# KiCad board grAIl.kicad_pcb
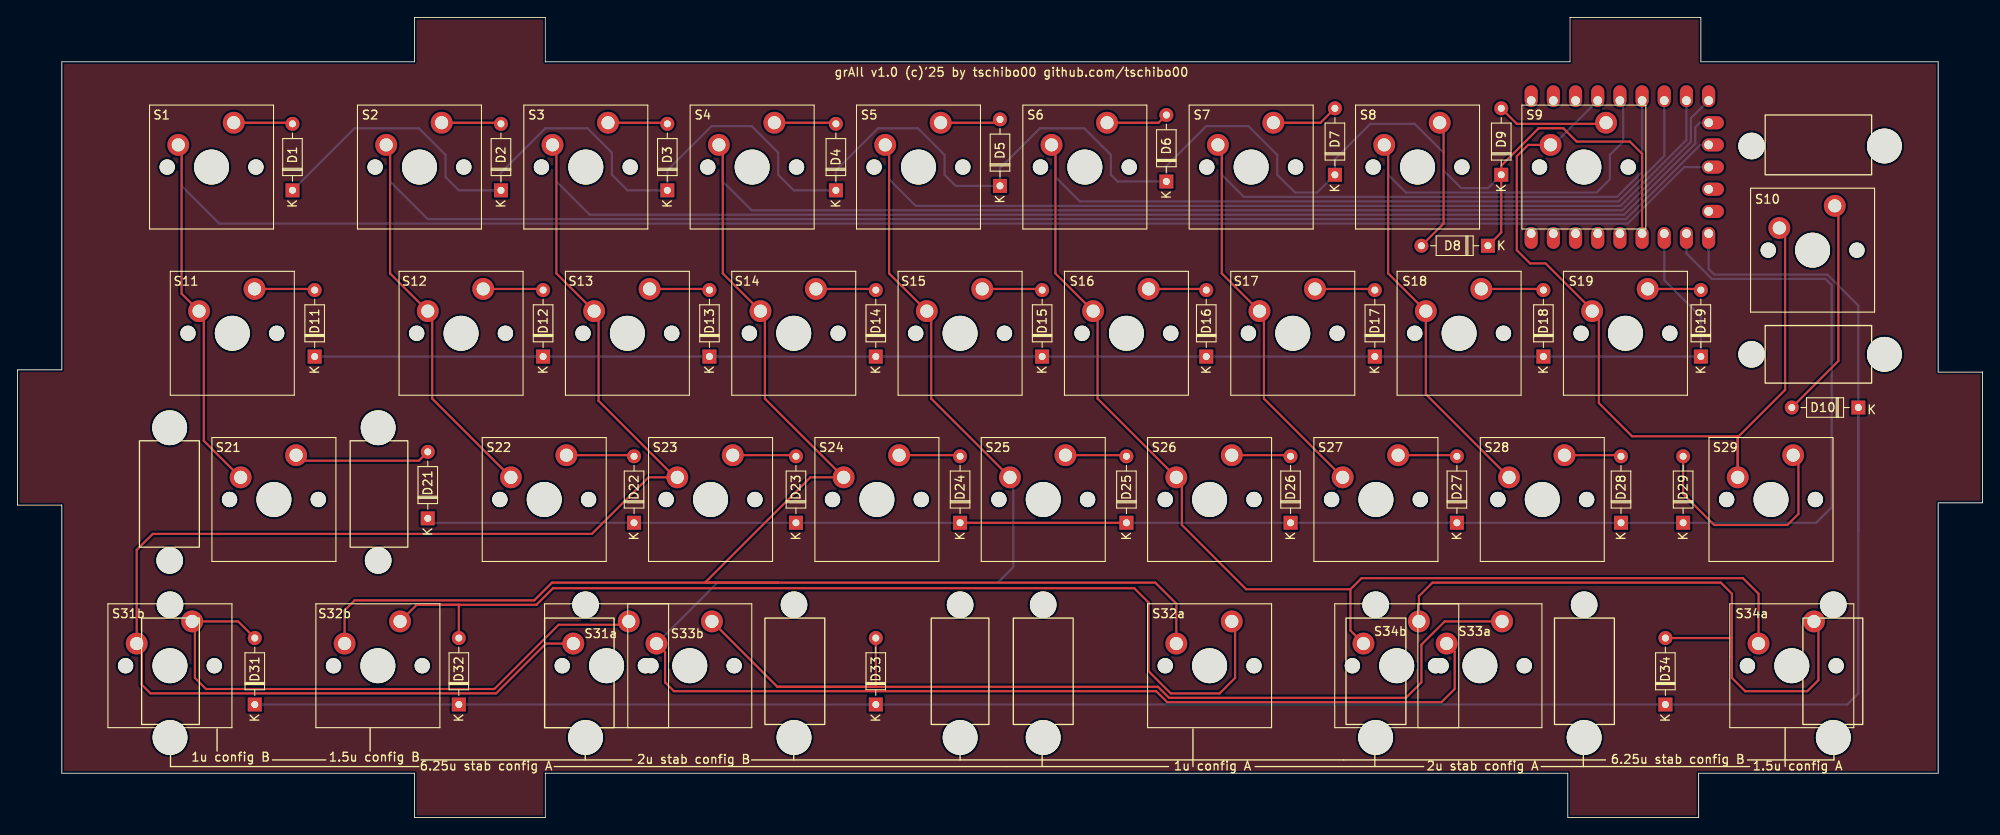
[diagram p0: board, top side]
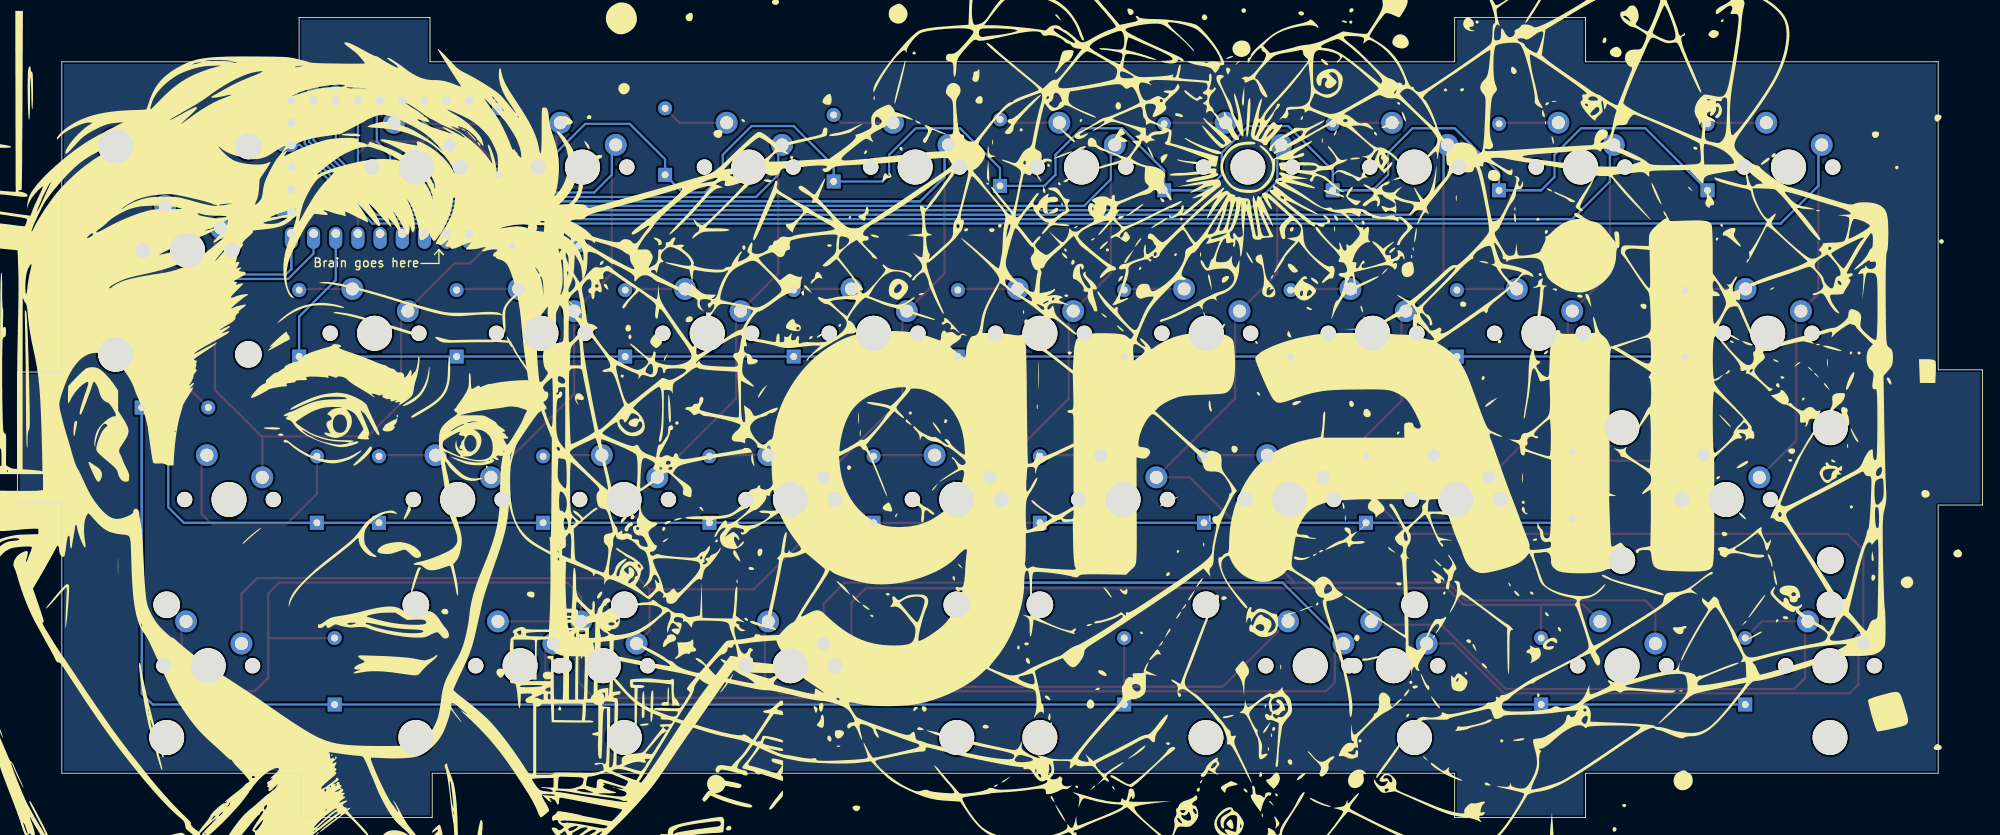
[diagram p1: board, bottom side, seen from below]

Outline 225.04 x 91.69 mm; copper layers: Top, Bottom. Coordinates in mm from the lower left corner of the outline.
Outline path: 0,51.31 5.08,51.31 5.08,86.61 45.47,86.61 45.47,91.69 60.45,91.69 60.45,86.61 177.8,86.61 177.8,91.69 192.79,91.69 192.79,86.61 219.96,86.61 219.96,51.05 225.04,51.05 225.04,36.07 219.96,36.07 219.96,5.08 192.53,5.08 192.53,0 177.55,0 177.55,5.08 60.45,5.08 60.45,0 45.47,0 45.47,5.08 5.08,5.08 5.08,35.81 0,35.81 0,51.31
Stack: Top 0.035mm / dielectric 1.51mm FR4 er 4.5 / Bottom 0.035mm

## Placement (name value [footprint] x y rotation side)
D1  Diode  [Diode_DO-35]  31.5 71.88 90 top
D2  Diode  [Diode_DO-35]  55.37 71.88 90 top
D3  Diode  [Diode_DO-35]  74.42 71.88 90 top
D4  Diode  [Diode_DO-35]  93.73 71.88 90 top
D5  Diode  [Diode_DO-35]  112.52 72.39 90 top
D6  Diode  [Diode_DO-35]  131.57 72.9 90 top
D7  Diode  [Diode_DO-35]  150.88 73.66 90 top
D8  Diode  [Diode_DO-35]  168.4 65.53 180 top
D9  Diode  [Diode_DO-35]  169.93 73.66 90 top
D10  Diode  [Diode_DO-35]  210.82 46.99 180 top
D11  Diode  [Diode_DO-35]  34.04 52.83 90 top
D12  Diode  [Diode_DO-35]  60.2 52.83 90 top
D13  Diode  [Diode_DO-35]  79.25 52.83 90 top
D14  Diode  [Diode_DO-35]  98.3 52.83 90 top
D15  Diode  [Diode_DO-35]  117.35 52.83 90 top
D16  Diode  [Diode_DO-35]  136.14 52.83 90 top
D17  Diode  [Diode_DO-35]  155.45 52.83 90 top
D18  Diode  [Diode_DO-35]  174.75 52.83 90 top
D19  Diode  [Diode_DO-35]  192.79 52.83 90 top
D21  Diode  [Diode_DO-35]  46.99 34.29 90 top
D22  Diode  [Diode_DO-35]  70.61 33.78 90 top
D23  Diode  [Diode_DO-35]  89.15 33.78 90 top
D24  Diode  [Diode_DO-35]  107.95 33.78 90 top
D25  Diode  [Diode_DO-35]  127 33.78 90 top
D26  Diode  [Diode_DO-35]  145.8 33.78 90 top
D27  Diode  [Diode_DO-35]  164.85 33.78 90 top
D28  Diode  [Diode_DO-35]  183.64 33.78 90 top
D29  Diode  [Diode_DO-35]  190.75 33.78 90 top
D31  Diode  [Diode_DO-35]  27.18 12.95 90 top
D32  Diode  [Diode_DO-35]  50.55 12.95 90 top
D33  Diode  [Diode_DO-35]  98.3 12.95 90 top
D34  Diode  [Diode_DO-35]  188.72 12.95 90 top
REF**  -  [Stabilizer_MX_2.00u]  167.48 17.4 0 top
REF**#2  -  [Stabilizer_MX_2.00u]  29.37 36.45 180 top
REF**#3  -  [Stabilizer_MX_2.00u]  205.58 65.02 90 top
REF**#4  -  [Stabilizer_MX_6.25u]  157.96 17.4 0 top
REF**#5  -  [Stabilizer_MX_2.00u]  76.99 17.4 0 top
REF**#6  -  [Stabilizer_MX_6.25u]  67.47 17.4 0 top
S1  Keyswitch  [MX_PCB_1.50u]  22.23 74.55 0 top
S2  Keyswitch  [MX_PCB_1.00u]  46.04 74.55 0 top
S3  Keyswitch  [MX_PCB_1.00u]  65.09 74.55 0 top
S4  Keyswitch  [MX_PCB_1.00u]  84.14 74.55 0 top
S5  Keyswitch  [MX_PCB_1.00u]  103.19 74.55 0 top
S6  Keyswitch  [MX_PCB_1.00u]  122.24 74.55 0 top
S7  Keyswitch  [MX_PCB_1.00u]  141.29 74.55 0 top
S8  Keyswitch  [MX_PCB_1.00u]  160.34 74.55 0 top
S9  Keyswitch  [MX_PCB_1.00u]  179.39 74.55 0 top
S10  Keyswitch  [MX_PCB_ISOEnter]  205.58 65.02 0 top
S11  Keyswitch  [MX_PCB_1.75u]  24.61 55.5 0 top
S12  Keyswitch  [MX_PCB_1.00u]  50.8 55.5 0 top
S13  Keyswitch  [MX_PCB_1.00u]  69.85 55.5 0 top
S14  Keyswitch  [MX_PCB_1.00u]  88.9 55.5 0 top
S15  Keyswitch  [MX_PCB_1.00u]  107.95 55.5 0 top
S16  Keyswitch  [MX_PCB_1.00u]  127 55.5 0 top
S17  Keyswitch  [MX_PCB_1.00u]  146.05 55.5 0 top
S18  Keyswitch  [MX_PCB_1.00u]  165.1 55.5 0 top
S19  Keyswitch  [MX_PCB_1.00u]  184.15 55.5 0 top
S21  Keyswitch  [MX_PCB_2.25u]  29.37 36.45 0 top
S22  Keyswitch  [MX_PCB_1.00u]  60.32 36.45 0 top
S23  Keyswitch  [MX_PCB_1.00u]  79.38 36.45 0 top
S24  Keyswitch  [MX_PCB_1.00u]  98.43 36.45 0 top
S25  Keyswitch  [MX_PCB_1.00u]  117.47 36.45 0 top
S26  Keyswitch  [MX_PCB_1.00u]  136.53 36.45 0 top
S27  Keyswitch  [MX_PCB_1.00u]  155.57 36.45 0 top
S28  Keyswitch  [MX_PCB_1.00u]  174.62 36.45 0 top
S29  Keyswitch  [MX_PCB_1.75u]  200.82 36.45 0 top
S31a  Keyswitch  [MX_PCB_6.25u]  67.47 17.4 0 top
S31b  Keyswitch  [MX_PCB_1.00u]  17.46 17.4 0 top
S32a  Keyswitch  [MX_PCB_1.00u]  136.53 17.4 0 top
S32b  Keyswitch  [MX_PCB_1.50u]  41.27 17.4 0 top
S33a  Keyswitch  [MX_PCB_2.25u]  167.48 17.4 0 top
S33b  Keyswitch  [MX_PCB_2.25u]  76.99 17.4 0 top
S34a  Keyswitch  [MX_PCB_1.50u]  203.2 17.4 0 top
S34b  Keyswitch  [MX_PCB_6.25u]  157.96 17.4 0 top
U1  -  [RP2040_Zero]  183.51 74.55 270 bottom

## Library data of the parts
D1-D19 D21-D29 D31-D34 = -: Description: 1N4148 (DO-35) or 1N4148W (SOD-123); Sim.Device: D; Sim.Pins: 1=K 2=A
S1-S19 S21-S29 S31a S31b S32a S32b S33a S33b S34a S34b = -: Description: Push button switch, normally open, two pins, 45° tilted

## Footprints (pads in the part's own frame, mm; a bottom-side part is the same pattern mirrored in y, then rotated)
Diode_DO-35
  rect 1.6x1.6 hole 0.8: 1(0,0)
  oval 1.6x1.6 hole 0.8: 2(7.62,0)
MX_PCB_1.00u
  round 1.75 hole 1.75 unplated: (-5.08,0) (5.08,0)
  round 4 hole 4 unplated: (0,0)
  round 2.5 hole 1.5: 1(-3.81,2.54) 2(2.54,5.08)
MX_PCB_1.50u
  round 1.75 hole 1.75 unplated: (-5.08,0) (5.08,0)
  round 4 hole 4 unplated: (0,0)
  round 2.5 hole 1.5: 1(-3.81,2.54) 2(2.54,5.08)
MX_PCB_1.75u
  round 1.75 hole 1.75 unplated: (-5.08,0) (5.08,0)
  round 4 hole 4 unplated: (0,0)
  round 2.5 hole 1.5: 1(-3.81,2.54) 2(2.54,5.08)
MX_PCB_2.25u
  round 1.75 hole 1.75 unplated: (-5.08,0) (5.08,0)
  round 4 hole 4 unplated: (0,0)
  round 2.5 hole 1.5: 1(-3.81,2.54) 2(2.54,5.08)
MX_PCB_6.25u
  round 1.75 hole 1.75 unplated: (-5.08,0) (5.08,0)
  round 4 hole 4 unplated: (0,0)
  round 2.5 hole 1.5: 1(-3.81,2.54) 2(2.54,5.08)
MX_PCB_ISOEnter
  round 1.75 hole 1.75 unplated: (-5.08,0) (5.08,0)
  round 4 hole 4 unplated: (0,0)
  round 2.5 hole 1.5: 1(-3.81,2.54) 2(2.54,5.08)
RP2040_Zero
  oval 2.5x1.5 hole 1: 1(7.62,10.16) 2(7.62,7.62) 3(7.62,5.08) 4(7.62,2.54) 5(7.62,0) 6(7.62,-2.54) 7(7.62,-5.08) 8(7.62,-7.62) 9(7.62,-10.16) 15(-7.62,-10.16) 16(-7.62,-7.62) 17(-7.62,-5.08) 18(-7.62,-2.54) 19(-7.62,0) 20(-7.62,2.54) 21(-7.62,5.08) 22(-7.62,7.62) 23(-7.62,10.16)
  oval 1.5x2.5 hole 1: 10(5.08,-10.16) 11(2.54,-10.16) 12(0,-10.16) 13(-2.54,-10.16) 14(-5.08,-10.16)
Stabilizer_MX_2.00u
  round 3.048 hole 3.048 unplated: (-11.938,6.985) (11.938,6.985)
  round 3.988 hole 3.988 unplated: (-11.938,-8.225) (11.938,-8.225)
Stabilizer_MX_6.25u
  round 3.048 hole 3.048 unplated: (-50,6.985) (50,6.985)
  round 3.988 hole 3.988 unplated: (-50,-8.225) (50,-8.225)

## Nets
gnd: U1.22
c1: S1.1 S11.1 S21.1 U1.12
c2: S2.1 S12.1 S22.1 U1.13
c3: S3.1 S13.1 S23.1 S31a.1 S31b.1 U1.14
c4: S4.1 S14.1 S24.1 S32a.1 S32b.1 U1.15
c5: S5.1 S15.1 S25.1 S33a.1 S33b.1 U1.16
c6: S6.1 S16.1 S26.1 S34a.1 S34b.1 U1.17
c7: S7.1 S17.1 S27.1 U1.18
c8: S8.1 S18.1 S28.1 U1.19
c9: S9.1 S10.1 S19.1 S29.1 U1.20
c10: U1.11
r1: D1.1 D2.1 D3.1 D4.1 D5.1 D6.1 D7.1 D8.1 D9.1 U1.6
r2: D11.1 D12.1 D13.1 D14.1 D15.1 D16.1 D17.1 D18.1 D19.1 U1.7
r3: D21.1 D22.1 D23.1 D24.1 D25.1 D26.1 D27.1 D28.1 D29.1 U1.8
r4: D10.1 D31.1 D32.1 D33.1 D34.1 U1.9
Net-(D1-A): D1.2 S1.2
Net-(D2-A): D2.2 S2.2
Net-(D3-A): D3.2 S3.2
Net-(D4-A): D4.2 S4.2
Net-(D5-A): D5.2 S5.2
Net-(D6-A): D6.2 S6.2
Net-(D7-A): D7.2 S7.2
Net-(D8-A): D8.2 S8.2
Net-(D9-A): D9.2 S9.2
Net-(D10-A): D10.2 S10.2
Net-(D11-A): D11.2 S11.2
Net-(D12-A): D12.2 S12.2
Net-(D13-A): D13.2 S13.2
Net-(D14-A): D14.2 S14.2
Net-(D15-A): D15.2 S15.2
Net-(D16-A): D16.2 S16.2
Net-(D17-A): D17.2 S17.2
Net-(D18-A): D18.2 S18.2
Net-(D19-A): D19.2 S19.2
Net-(D21-A): D21.2 S21.2
Net-(D22-A): D22.2 S22.2
Net-(D23-A): D23.2 S23.2
Net-(D24-A): D24.2 S24.2
Net-(D25-A): D25.2 S25.2
Net-(D26-A): D26.2 S26.2
Net-(D27-A): D27.2 S27.2
Net-(D28-A): D28.2 S28.2
Net-(D29-A): D29.2 S29.2
Net-(D31-A): D31.2 S31a.2 S31b.2
Net-(D32-A): D32.2 S32a.2 S32b.2
Net-(D33-A): D33.2 S33a.2 S33b.2
Net-(D34-A): D34.2 S34a.2 S34b.2

Pads without a net: U1 1 2 3 4 5 10 21 23

## Routing (per net, layer and track width the routed paths; a pad name or vN(x,y) marks a point on that pad's centre or on a via; arc(x,y) is an arc through that point)
c1: length 225.3
  Top w0.25: S1.1 18.8,76.71 18.8,60.04 21.34,57.5 21.34,43.18 25.53,38.99 S21.1
  Bottom w0.254: S1.1 18.8,76.71 18.8,72.39 23.11,68.07 184.4,68.07 190.88,74.55 U1.12
c2: length 204.7
  Top w0.25: 56.52,38.99 47.5,48.01 47.5,57.53 42.67,62.36 42.67,76.64 S2.1
  Bottom w0.254: U1.13 192.71,77.09 184.2,68.58 46.99,68.58 42.67,72.9 42.67,76.64 S2.1
c3: length 320.8
  Top w0.25: S31a.1 60.52,19.94 54.82,14.23 15.23,14.23 14.22,15.24 14.22,19.37 S31b.1 13.65,30.67 15.49,32.51 65.79,32.51 72.26,38.99 S23.1 75.31,38.99 66.55,47.75 66.55,57.53 61.72,62.36 61.72,76.64 S3.1
  Bottom w0.254: U1.14 192.66,79.63 192.15,79.12 192.15,77.24 183.99,69.08 65.54,69.08 61.72,72.9 61.72,76.64 S3.1
c4: length 304.6
  Top w0.25: 87.12,26.92 78.74,26.92 90.81,38.99 S24.1 85.6,48.01 85.6,57.53 80.77,62.36 80.77,76.64 S4.1 ; 87.12,26.92 130.3,26.92 132.72,24.51 S32a.1 ; 87.12,26.92 61.21,26.92 59.18,24.89 38.61,24.89 37.47,23.75 S32b.1
  Bottom w0.254: U1.15 191.64,80.14 191.64,77.45 183.79,69.6 84.07,69.6 80.77,72.9 80.77,76.64 S4.1
c5: length 306.5
  Top w0.25: S33b.1 74.17,18.95 74.17,15.49 75.18,14.48 130.41,14.48 131.67,13.22 163.08,13.22 164.59,14.73 164.59,19.02 S33a.1 ; S25.1 104.65,48.01 104.65,57.53 99.82,62.36 99.82,76.64 S5.1
  Bottom w0.25: S25.1 113.28,38.61 114.05,38.61 114.05,28.7 112.27,26.92 80.17,26.92 S33b.1
  Bottom w0.254: U1.16 191.13,77.65 183.58,70.1 102.87,70.1 99.82,73.15 99.82,76.64 S5.1
c6: length 215.9
  Top w0.25: 152.65,26.16 153.92,27.43 197.61,27.43 199.39,25.65 S34a.1 ; 152.65,26.16 152.65,21.43 S34b.1 ; 152.65,26.16 140.72,26.16 133.35,33.53 133.35,38.35 S26.1 123.7,48.01 123.7,57.53 118.87,62.36 118.87,76.64 S6.1
  Bottom w0.254: U1.17 188.59,75.83 183.38,70.61 121.67,70.61 118.87,73.41 118.87,76.64 S6.1
c7: length 106.2
  Top w0.25: S27.1 142.75,48.01 142.75,57.53 137.92,62.36 137.92,76.64 S7.1
  Bottom w0.254: S7.1 137.92,76.64 137.92,73.66 140.46,71.12 183.18,71.12 186.06,74 186.06,82.17
c8: length 84.3
  Top w0.25: S8.1 156.97,76.64 156.97,62.36 161.29,58.04 161.29,48.51 S28.1
  Bottom w0.254: S8.1 156.97,76.64 156.97,73.66 159.01,71.62 180.84,71.62 182.37,73.15 182.37,75.95 183.9,77.47 183.9,81.79 U1.19
c9: length 98.4
  Top w0.25: S9.1 173.01,77.09 171.7,75.78 171.7,65.02 173.23,63.5 175.01,63.5 180.34,58.17 180.34,58.04 181.1,57.28 181.1,47.5 184.91,43.69 197.01,43.69 S29.1 197.01,43.59 202.44,49.02 202.44,66.9 S10.1
  Bottom w0.254: S9.1 175.89,77.09 U1.20
r1: length 234.9
  Top w0.25: D9.1 169.93,67.06 D8.1
  Top w0.254: 186.06,66.93 186.06,76.07 184.66,77.47 178.56,77.47 177.04,78.99 174.21,78.99 169.93,74.71 D9.1
  Bottom w0.254: D1.1 38.61,78.99 45.97,78.99 49.02,75.95 49.02,73.41 50.55,71.88 D2.1 55.37,73.91 60.45,78.99 65.28,78.99 68.07,76.2 68.07,73.66 69.85,71.88 D3.1 74.42,74.17 79.5,79.25 84.07,79.25 87.12,76.2 87.12,73.66 88.9,71.88 D4.1 93.73,74.17 98.55,78.99 103.12,78.99 106.17,75.95 106.17,73.66 107.44,72.39 D5.1 112.52,74.42 117.09,78.99 122.17,78.99 125.22,75.95 125.22,73.66 125.98,72.9 D6.1 131.57,74.68 136.14,79.25 140.97,79.25 144.27,75.95 144.27,73.66 146.3,71.63 148.84,71.63 D7.1 150.88,75.44 154.94,79.5 160.02,79.5 163.32,76.2 163.32,74.17 165.35,72.14 168.4,72.14 D9.1
r2: length 174.6
  Bottom w0.254: U1.7 188.59,61.6 192.79,57.4 D19.1 D18.1 D17.1 D16.1 D15.1 D14.1 D13.1 D12.1 D11.1
r3: length 207.6
  Top w0.254: D25.1 D24.1
  Bottom w0.254: D25.1 D26.1 D27.1 D28.1 205.99,33.78 207.77,35.56 207.77,61.01 207.06,61.73 194.05,61.73 191.13,64.64 U1.8 ; D21.1 47.5,33.78 D22.1 D23.1 D24.1
r4: length 265.8
  Bottom w0.25: 210.82,32.77 D10.1
  Bottom w0.254: D31.1 D33.1 D34.1 209.55,12.95 210.82,14.22 210.82,58.67 207.26,62.23 194.31,62.23 193.67,62.87 U1.9
Net-(D1-A): length 6.8
  Top w0.254: D1.2 31.37,79.63 S1.2
Net-(D2-A): length 6.8
  Top w0.254: S2.2 55.24,79.63 D2.2
Net-(D3-A): length 6.8
  Top w0.254: D3.2 74.29,79.63 S3.2
Net-(D4-A): length 7.1
  Top w0.254: D4.2 93.6,79.63 S4.2
Net-(D5-A): length 7
  Top w0.254: D5.2 112.14,79.63 S5.2
Net-(D6-A): length 7.2
  Top w0.254: D6.2 130.68,79.63 S6.2
Net-(D7-A): length 7.7
  Top w0.254: S7.2 149.22,79.63 D7.2
Net-(D8-A): length 15.3
  Top w0.25: S8.2 163.32,79.18 163.32,68.07 D8.2
Net-(D9-A): length 12.8
  Top w0.254: S9.2 181.8,79.5 171.7,79.5 D9.2
Net-(D10-A): length 25.5
  Top w0.25: D10.2 208.53,52.32 208.53,69.69 S10.2
Net-(D11-A): length 6.9
  Top w0.254: S11.2 33.91,60.58 D11.2
Net-(D12-A): length 6.9
  Top w0.254: S12.2 60.07,60.58 D12.2
Net-(D13-A): length 6.9
  Top w0.254: S13.2 79.12,60.58 D13.2
Net-(D14-A): length 6.9
  Top w0.254: S14.2 98.17,60.58 D14.2
Net-(D15-A): length 6.9
  Top w0.254: D15.2 117.22,60.58 S15.2
Net-(D16-A): length 6.7
  Top w0.254: S16.2 136.02,60.58 D16.2
Net-(D17-A): length 6.9
  Top w0.254: D17.2 155.32,60.58 S17.2
Net-(D18-A): length 7.2
  Top w0.254: D18.2 174.62,60.58 S18.2
Net-(D19-A): length 6.1
  Top w0.254: D19.2 192.66,60.58 S19.2
Net-(D21-A): length 15.8
  Top w0.254: D21.2 45.97,40.89 32.54,40.89 S21.2
Net-(D22-A): length 7.8
  Top w0.254: D22.2 70.49,41.53 S22.2
Net-(D23-A): length 7.3
  Top w0.254: D23.2 89.03,41.53 S23.2
Net-(D24-A): length 7
  Top w0.254: D24.2 107.82,41.53 100.97,41.53
Net-(D25-A): length 7
  Top w0.254: S25.2 126.87,41.53 D25.2
Net-(D26-A): length 6.8
  Top w0.254: D26.2 145.67,41.53 S26.2
Net-(D27-A): length 6.8
  Top w0.254: S27.2 164.72,41.53 D27.2
Net-(D28-A): length 6.5
  Top w0.254: D28.2 183.51,41.53 S28.2
Net-(D29-A): length 26.5
  Top w0.25: D29.2 190.75,37.08 194.31,33.53 202.69,33.53 203.96,34.8 203.96,40.93 S29.2
Net-(D31-A): length 68
  Top w0.25: D31.2 25.27,22.48 S31b.2 20.32,22.16 20.32,16 21.59,14.73 54.61,14.73 61.98,22.1 69.63,22.1 S31a.2
Net-(D32-A): length 122.8
  Top w0.25: D32.2 50.55,24.38 45.72,24.38 ; 45.72,24.38 59.44,24.38 61.34,26.28 127.89,26.28 129.54,24.64 129.54,16.76 132.08,14.22 137.67,14.22 139.45,16 139.45,22.1 S32a.2 ; 45.72,24.38 S32b.2
Net-(D33-A): length 117.1
  Top w0.25: S33a.2 163.45,22.48 160.78,19.81 160.78,15.49 159.01,13.72 131.87,13.72 130.61,14.99 87.03,14.99 ; 87.03,14.99 98.3,14.99 D33.2 ; 87.03,14.99 S33b.2
Net-(D34-A): length 77.5
  Top w0.25: S34b.2 160.5,25.37 162.05,26.92 195.07,26.92 196.34,25.65 196.34,16 197.87,14.48 204.98,14.48 206.25,15.75 206.25,21.97 S34a.2
  Top w0.254: 196.34,18.29 196.34,20.57 D34.2

## Copper pours and planes (outline as drawn; the poured copper is in the pictures)
(no net) on Top, Bottom: 227.58,-7.11 227.58,97.54 227.08,98.04 3.05,98.04 -0.76,94.23 -0.76,-6.6 -0.25,-7.11

## Text on the board
B.Silkscreen: Brain goes here
F.Silkscreen: 1u config B | 1.5u config B | 6.25u stab config A | 2u stab config B | grAIl v1.0 (c)'25 by tschibo00 github.com/tschibo00 | 1u config A | 2u stab config A | 6.25u stab config B | 1.5u config A
